# KiCad board ulx4m_panel.kicad_pcb (continued)
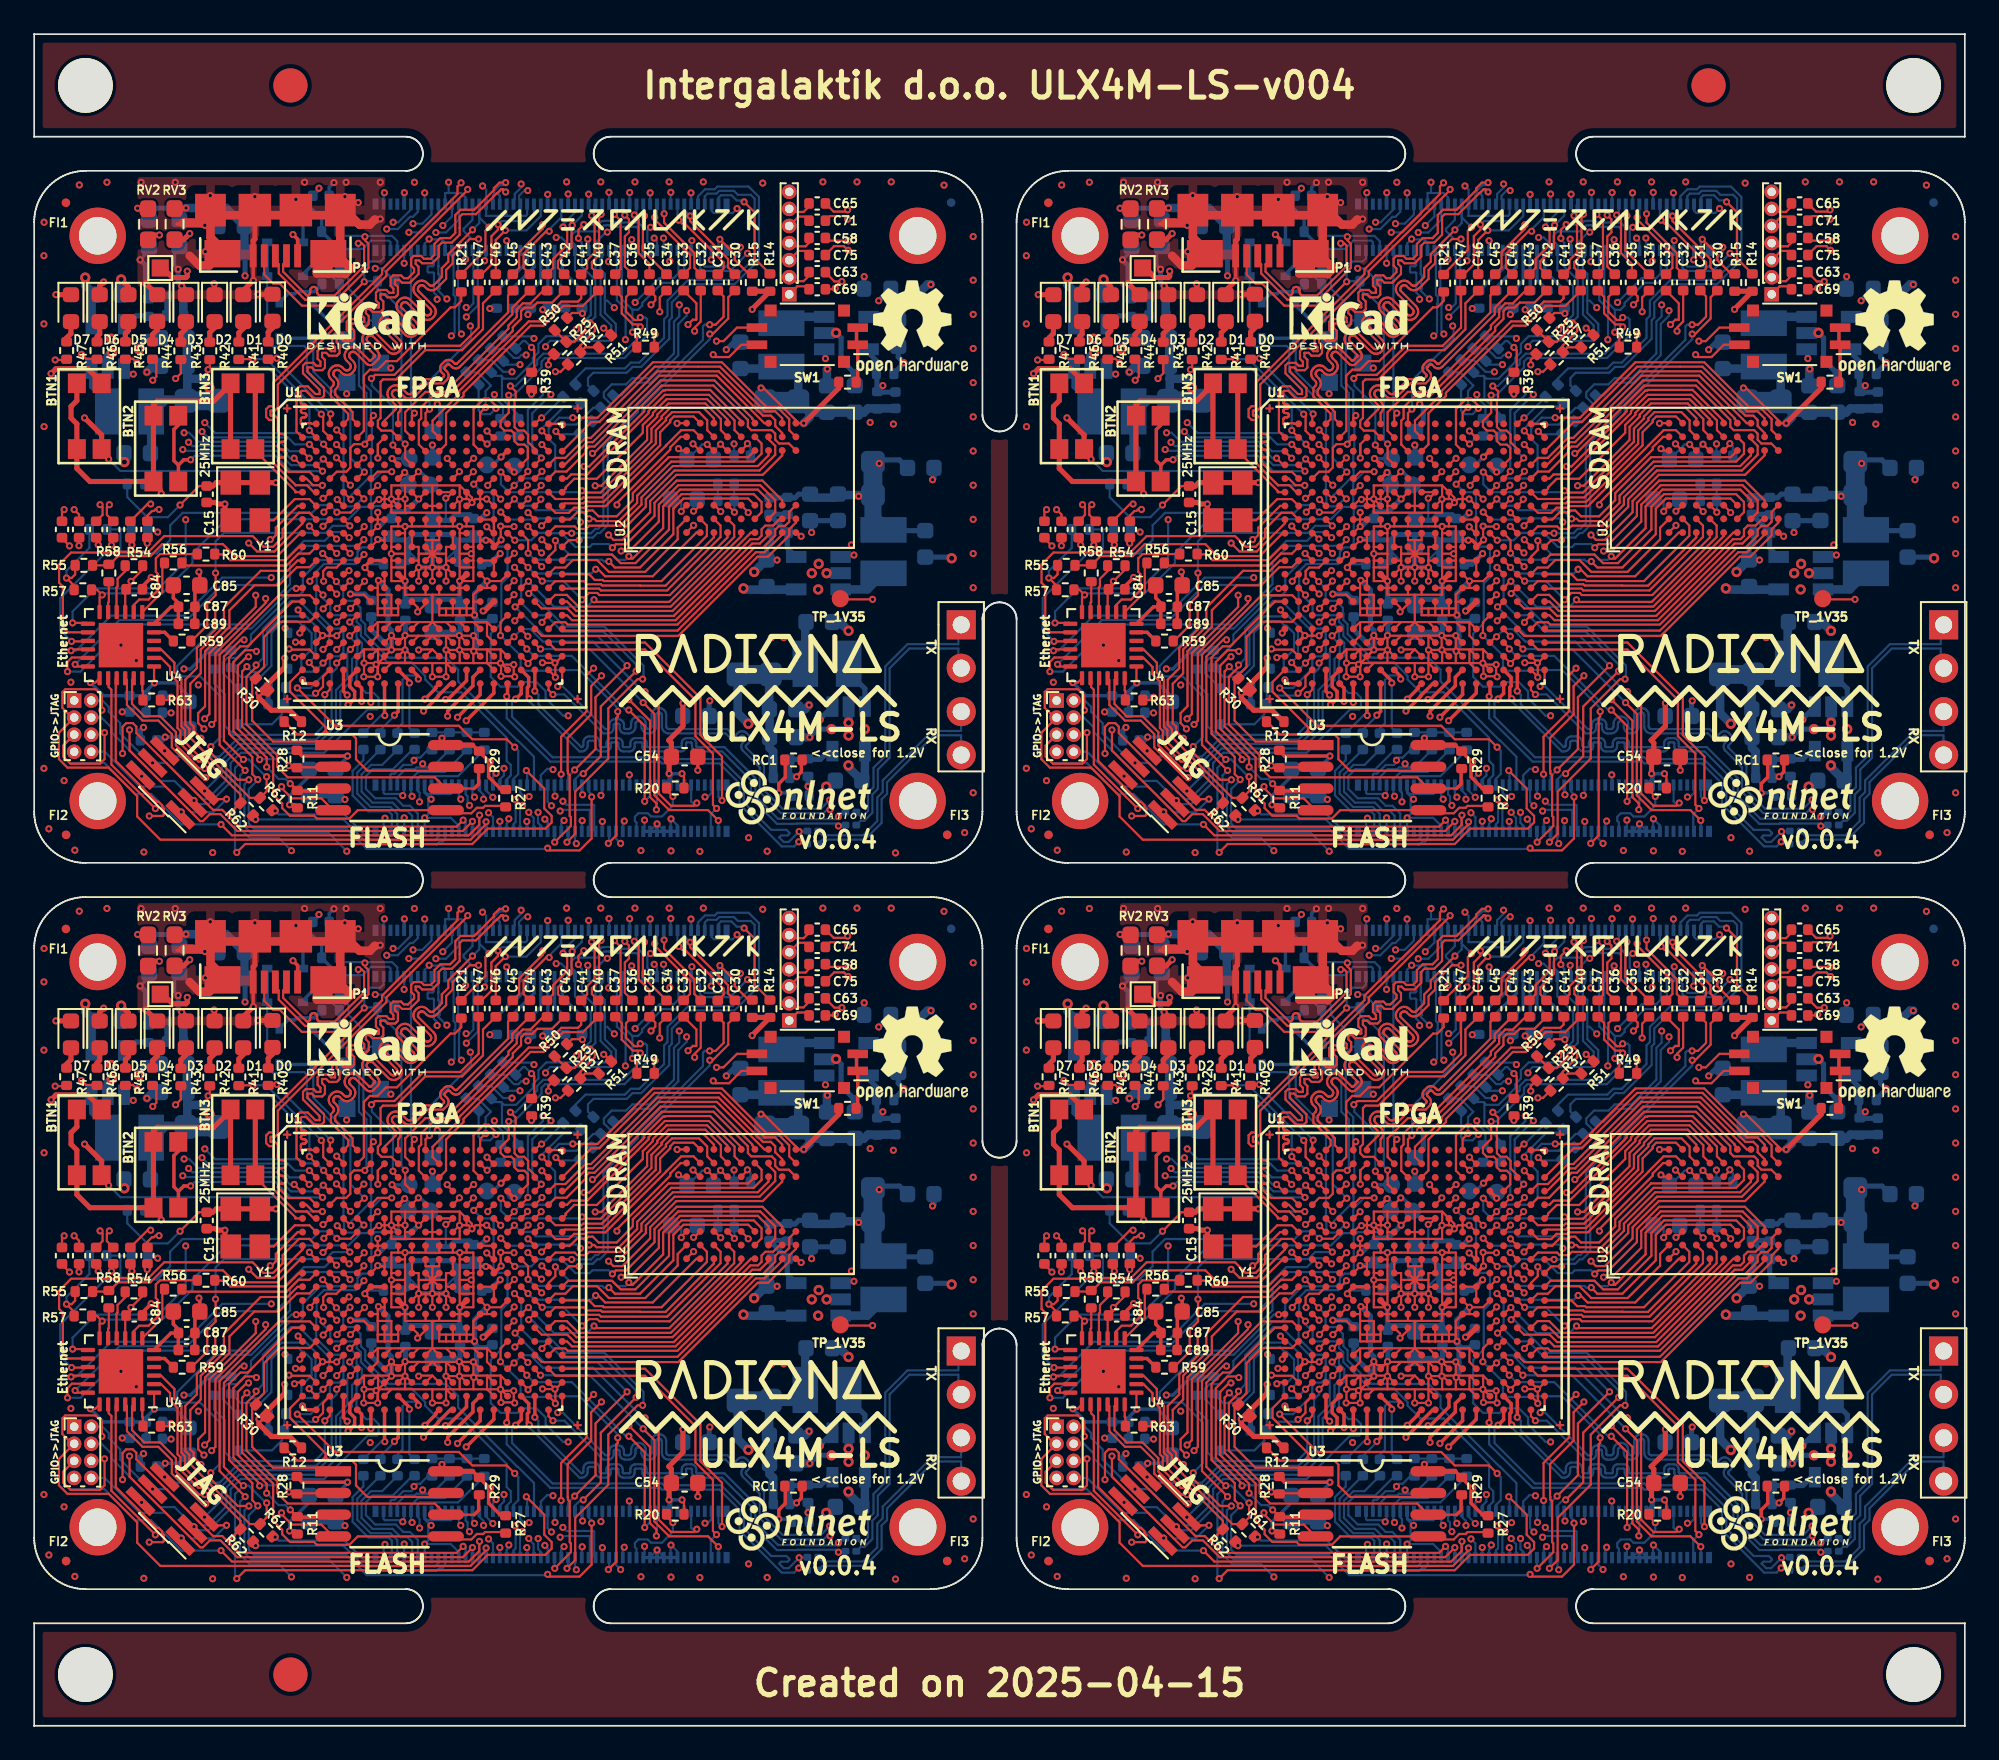
[diagram p0: board, top side]
## Routing (per net, layer and track width the routed paths; a pad name or vN(x,y) marks a point on that pad's centre or on a via; arc(x,y) is an arc through that point) (continued)
  Bottom w0.2: 17.36,86.55 17.36,86.92 R2#3.2 16.83,88.19 16.13,88.88 15.38,88.88 R4#4.2
Board_0-USB_FPGA_D-: length 16.7
  Top w0.127: U1#2.E3 17.71,73.4 18.27,73.4 18.51,73.64 18.51,74.79 18.72,75.01 v1(19.36,75.01) 19.36,75.04 U1#2.B6
  Bottom w0.127: R7#4.2 17.31,84.94 17.31,85.85 16.84,86.32 R1#2.2 ; R6#3.2 18.36,82.89 18.36,81.18 D9#4.1 19.01,80.43 19.01,78.44 19.45,78 19.45,75.1 v1(19.36,75.01)
  Bottom w0.2: R7#4.2 17.85,84.37 R6#3.2
Board_0-USB_FPGA_PULL_D+: length 20.3
  Top w0.127: v1(19.3,71.81) 19.3,71.81 U1#2.F5
  Bottom w0.127: v1(19.3,71.81) 19.2,71.81 18.76,71.37 18.15,71.37 18.14,71.38 18.14,71.98 18.11,72.01 18.11,77.11 15.96,79.26 15.96,80.61 15.81,80.76 14.77,80.76 14.73,80.72 13.97,80.72 13.64,81.05 D11#2.1
  Bottom w0.2: D11#2.1 D10.2
Board_0-USB_FPGA_PULL_D-: length 11.6
  Top w0.127: v1(19.33,73.38) 19.29,73.38 U1#2.E5
  Bottom w0.127: v1(19.33,73.38) 18.51,74.2 18.51,77.09 16.34,79.26 16.34,81.18 D12#2.2
  Bottom w0.2: D13.1 16.31,81.21 D12#2.2
Board_0-USB_N: length 13.2
  Top w0.127: 14.77,85.73 14.57,85.53 14.57,85.1 15.96,83.71 16.01,83.72 16.05,83.73 16.09,83.76 16.12,83.79 16.14,83.83 16.16,83.87 16.16,83.91 16.16,84.01 16.17,84.06 16.18,84.1 16.21,84.14 16.24,84.17 16.28,84.19 16.32,84.21 16.36,84.21 16.41,84.21 16.45,84.19 16.49,84.17 16.52,84.14 16.54,84.1 16.56,84.06 16.56,84.01 16.56,83.91 16.57,83.87 16.58,83.83 16.61,83.79 16.64,83.76 16.68,83.73 16.72,83.72 16.76,83.71 17.6,83.71 19.31,85.43 19.31,86.63 19.18,86.76 v1(18.97,86.76)
  Bottom w0.127: 20.86,86.2 20.86,86.83 20.77,86.92 19.72,86.92 19.24,86.44 18.93,86.44 ; 18.93,86.44 18.97,86.48 v1(18.97,86.76) ; 18.93,86.44 R1#2.1
Board_0-USB_P: length 13.7
  Top w0.127: v1(19.36,87.15) 19.36,86.94 19.57,86.73 19.57,85.32 17.7,83.46 15.86,83.46 14.32,85 14.32,85.53 14.12,85.73
  Bottom w0.127: R2#3.1 18.1,87.2 20.95,87.2 21.26,86.89 21.26,86.2
Board_0-USER_PROGRAMN: length 6.9
  Top w0.127: v3(18.43,67.61) 18.22,67.4 U1#2.M4
  In2signal.Cu w0.127: v3(14.69,64.24) 15.03,64.58 15.03,65.54 15.27,65.78 17.12,65.78 17.31,65.97 17.31,66.92 17.32,66.93 17.32,66.93 17.32,67.09 17.33,67.1 17.33,67.34 17.6,67.61 v3(18.43,67.61)
Board_1-2V5_3V3: length 43.2
  Top w0.127: 77.62,70.6 77.62,70.19 v1(77.63,70.19) 77.61,70.19 U1#4.J6 ; 77.62,70.6 U1#4.H7 ; 77.62,70.6 77.62,71.01 v1(77.62,71.02) ; 77.62,70.6 U1#4.H6 ; U1#4.F10 v1(80.02,71.8) U1#4.F9
  Top w0.2: 64.15,88.77 64.1,88.82 v1(63.57,88.82)
  Top w0.3: RV2.2 63.59,88.79 v1(63.57,88.82) ; v1(66.4,88.83) 66.37,88.8 RV3#4.1
  POWER.Cu w0.2: 77.12,72.38 77.12,72.17 77.25,72.04 77.25,71.39 v1(77.62,71.02)
  POWER.Cu w0.3: 77.12,72.38 76.29,73.2 76.29,82.58 75.03,83.85 75.03,84.58 76.37,85.91 75.59,85.91 74.75,85.08 70.07,85.08 v1(69.85,84.86)
  Bottom w0.2: C49#2.1 63.57,88.78 v1(63.57,88.82)
  Bottom w0.3: 78.44,70.93 77.7,70.19 v1(77.63,70.19) ; v1(80.02,71.8) 79.27,71.05 78.44,71.05 ; v1(69.85,84.86) 69.85,86.21 C48#3.1 ; v1(63.57,88.82) 66.39,88.82 v1(66.4,88.83) 66.01,88.44 C53#3.1
  Bottom w0.4: 78.49,70.96 78.49,70.96
  Bottom w0.5: C48#3.1 69.82,87.76 C38#3.1 68.75,88.83 v1(66.4,88.83)
Board_1-+1V1: length 133.8
  Top w0.127: U1#4.T10 80.82,64.6 ; 80.82,64.6 80.82,66.2 ; 80.82,64.6 82.42,64.6 ; 80.82,64.6 U1#4.T11 ; 80.82,64.6 80.02,64.6 ; 79.22,69.8 v1(79.22,70.2) ; 79.22,69.8 U1#4.J8 ; 79.22,69.8 79.22,68.6 ; v1(79.22,70.2) 79.62,70.2 ; v1(79.22,70.2) 78.82,70.2 ; U1#4.J13 82.42,69.8 ; 82.42,69.8 82.42,68.6 ; 82.42,69.8 v1(82.42,70.2) ; 78.42,67.8 78.42,67 v1(79.22,67) ; 78.42,67.8 79.22,67.8 ; 78.42,67.8 78.42,68.2 ; 79.62,70.2 80.42,70.2 ; 79.62,70.2 U1#4.H9 ; U1#4.N8 79.22,66.6 ; 79.22,66.6 79.22,66.2 80.42,66.2 ; 79.22,66.6 U1#4.N9 ; 79.22,66.6 v1(79.22,67) ; U1#4.H8 78.82,70.2 ; 78.82,70.2 78.42,70.2 78.42,69 ; U1#4.T14 83.22,64.6 ; 83.22,64.6 84.02,64.6 ; 83.22,64.6 82.42,64.6 ; 79.22,68.6 v1(78.42,68.6) ; 79.22,68.6 79.22,67.8 ; U1#4.L8 78.42,68.2 ; 78.42,68.2 v1(78.42,68.6) ; 82.42,64.6 U1#4.T13 ; U1#4.N10 80.42,66.2 ; 80.42,66.2 80.82,66.2 ; 83.22,69 83.22,68.72 v1(83.09,68.6) ; 83.22,69 U1#4.K13 ; 83.22,69 83.22,70.2 82.82,70.2 ; U1#4.U6 77.62,63.8 77.62,64.6 ; U1#4.L13 83.22,68.2 ; 83.22,68.2 83.22,67.8 ; 83.22,68.2 83.22,68.47 v1(83.09,68.6) ; 80.82,66.2 82.42,66.2 82.42,66.6 ; 77.62,64.6 U1#4.T6 ; 77.62,64.6 78.42,64.6 ; 81.22,70.2 82.02,70.2 ; 81.22,70.2 80.42,70.2 ; 81.22,70.2 U1#4.H11 ; U1#4.T12 81.62,64.6 ; v1(78.42,68.6) 78.42,69 ; 82.42,68.6 82.42,67.8 ; 82.42,68.6 v1(83.09,68.6) ; U1#4.T15 84.02,64.6 ; 84.02,64.6 84.02,63.8 U1#4.U15 ; U1#4.H13 82.82,70.2 ; 82.82,70.2 v1(82.42,70.2) ; 80.02,64.6 79.22,64.6 ; 80.02,64.6 U1#4.T9 ; U1#4.H12 82.02,70.2 ; 82.02,70.2 v1(82.42,70.2) ; v1(79.22,67) 79.22,67.8 ; 79.22,64.6 U1#4.T8 ; 79.22,64.6 78.42,64.6 ; 80.42,70.2 U1#4.H10 ; 83.22,67.8 83.22,67 v1(82.42,67) ; 83.22,67.8 82.42,67.8 ; 78.42,69 U1#4.K8 ; U1#4.N12 82.42,66.6 ; 82.42,66.6 U1#4.N13 ; 82.42,66.6 v1(82.42,67) ; 82.42,67.8 v1(82.42,67) ; 78.42,64.6 U1#4.T7 ; U1#4.N11 81.22,66.2
  Top w0.3: U1#4.M8 v1(79.22,67) ; v1(66.47,85.13) 66.47,84.84 66.39,84.76 65.61,84.76 65.1,85.27 ; U1#4.M13 v1(82.42,67)
  In2signal.Cu w0.3: v1(67.12,60.92) 69.29,58.74 76.85,58.74 v1(77.18,59.08)
  POWER.Cu w0.3: 86.24,59.25 85.33,58.34 77.92,58.34 v1(77.18,59.08) 78.98,60.88 78.98,61.25 80.21,62.48 80.25,62.48 80.51,62.73 80.51,65.71 v1(79.22,67) ; v1(67.12,60.92) 67.64,61.44 67.64,68.74 68.18,69.28 68.18,71.88 68.65,72.35 68.65,74.9 68.26,75.29 67.04,75.29 66.81,75.52 66.81,76.25 67.66,77.1 67.66,77.57 67.2,78.03 67.2,80.92 66.89,81.23 66.89,84.72 v1(66.47,85.13) ; 82.43,66.99 82.41,66.99
  POWER.Cu w0.5: v2(99.32,58.65) 99.01,58.34 87.15,58.34 86.24,59.25
  Bottom w0.127: 80.82,65.73 80.84,65.71 ; 82.42,65.98 82.44,65.96 ; 79.22,65.98 79.24,65.96
  Bottom w0.3: 79.24,65.93 80.74,65.93 80.84,66.03 80.94,65.93 82.44,65.93 ; v1(82.42,67) 82.42,65.98 ; v1(79.22,67) 79.22,65.98
  Bottom w0.5: RP1#4.2 98.69,59.27 v2(99.32,58.65)
Board_1-+1V35: length 31.8
  Top w0.127: TP_1V35#3.1 104.74,65.93 v1(106.59,65.93)
  POWER.Cu w0.3: v1(106.59,65.93) 104.37,68.15 104.37,69.21 103.74,69.84 105.36,69.84 105.46,69.74 105.89,70.16 105.89,71.08 105.39,71.58 v3(105.77,71.96) 106.18,72.37 106.18,75.46 106.24,75.39 106.86,75.39 106.86,74 v1(106.98,73.88)
  Bottom w0.3: C77#4.1 101.6,71.86 101.6,71.87 102.05,71.87 102.26,72.08 C95#2.1 ; C97#4.1 106.82,69.95 ; RP4#2.2 106.7,73.88 v1(106.98,73.88) 107.19,74.09 108.16,74.09 C98#3.1 ; 107,73.7 106.61,74.09
  Bottom w0.5: C95#2.1 103.13,71.88 104.35,71.88 C96#4.1 104.63,72.03 RP4#2.1
  Bottom w1: RP4#2.1 106.61,70.61 L4#2.2
Board_1-+2V5: length 118.6
  Top w0.127: 80.82,63 U1#4.V11 ; 80.82,63 80.05,63 v1(80.02,62.97) ; 80.82,63 U1#4.V10 ; v1(77.62,72.59) 77.61,72.59 U1#4.F6 ; U1#4.P6 76.81,66.21 76.05,66.21 v1(76.02,66.24) ; U1#4.V18 86.42,62.2 v1(86.42,62.17) 86.42,62.19 U1#4.V17 ; v1(84.82,71.79) 84.82,71.8 U1#4.F15
  Top w0.3: RV2.1 64.46,87.25 v1(64.84,87.25) ; U1#4.P15 83.87,65.25 v1(83.79,65.25)
  POWER.Cu w0.127: 86.84,64.19 86.84,63.32 86.75,63.23 86.75,62.66 U1#4.V18 ; 83.6,71.39 83.59,71.39 ; 83.6,71.39 83.59,71.41 83.59,72.21 ; 83.6,71.39 83.6,71.4 84.42,71.4 v1(84.82,71.79)
  POWER.Cu w0.2: 73.41,68.89 73.56,69.05 76.26,69.05 76.32,68.99 77.84,68.99 77.93,68.89 ; 86.82,64.21 85.91,64.21 85.88,64.17 85.16,64.17 84.09,65.25 v1(83.79,65.25) ; v1(86.42,62.17) 86.82,62.56 U1#4.V18
  POWER.Cu w0.3: v1(76.02,66.24) 76.82,65.44 76.82,63 77.58,63 78.12,62.46 79.51,62.46 v1(80.02,62.97) ; 80.81,72.6 80.81,71.68 80.27,71.14 78.53,71.14 78.53,69.49 77.93,68.89 ; 67.49,85.1 68.17,85.1 ; 83.6,71.39 83.6,71.35 83.37,71.12 83.37,69.15 82.74,69.15 82.59,69 82.59,68.39 83.09,67.89 83.09,67.45 83.5,67.04 83.5,65.54 v1(83.79,65.25) ; v1(64.84,87.25) 65.28,87.25 67.46,85.07 ; v3(80.82,74.95) 80.84,74.93 80.84,73.58 ; 73.41,68.89 72.57,69.73 72.57,72.55 68.85,76.27 68.43,76.27 ; v2(67.77,78.3) 68.14,77.93 69.21,77.93
  POWER.Cu w0.4: 83.51,72.13 82.83,72.13 82.36,72.6 77.63,72.6 v1(77.62,72.59) ; 72.35,59.7 72.65,59.7 73.45,60.49 73.45,60.68 73.74,60.97 74.8,60.97 76.82,63
  POWER.Cu w0.5: 68.17,85.1 68.14,85.07 67.46,85.07 ; 68.72,80.42 67.46,81.68 67.46,85.07 ; 67.46,85.07 67.49,85.1 ; 80.84,73.58 80.84,72.65
  POWER.Cu w0.8: 71.09,65.09 70.44,65.09 70.34,65.19
  POWER.Cu w1: 72.42,59.77 71.57,60.62 71.57,61.8 71.36,62 71.36,64.81 71.09,65.09 ; 69.33,77.81 69.51,77.63 69.51,71.1 69.23,70.82 69.23,68.9 68.58,68.25 69.03,67.8 69.03,65.66 69.5,65.19 70.34,65.19 ; 68.43,78.4 68.43,76.27
  POWER.Cu w1.5: 69.33,77.81 69.21,77.93 69.21,79.93 68.72,80.42
  Bottom w0.3: L2#4.2 64.42,76.98 ; RP2#3.2 67.77,78.09 v2(67.77,78.3) ; v1(83.79,65.25) 84.3,65.76 C29#4.1 ; v1(76.02,66.24) 76.86,66.24 C39#2.1 ; v3(80.82,74.95) 80.84,74.93 C19#4.1
  Bottom w0.5: 66.48,78.84 66.48,79.57 C12.1 66.45,79.6 C11#3.1 66.45,81.85 66.24,82.06 66.24,83.59 C10#2.1 ; 66.48,78.84 66.48,77.61 65.22,77.61 64.52,76.92 L2#4.2 64.36,74.52 C23.1 ; 66.48,78.84 67.38,78.84 67.77,78.45 67.77,78.45
Board_1-+3.3VA: length 13.5
  Top w0.127: U4#2.1 64.53,61.06 v1(64.55,61.04) ; v1(60.8,61.06) 61.09,61.06 U4#2.19
  POWER.Cu w0.2: v1(64.55,61.04) 60.82,61.04 v1(60.8,61.06)
  Bottom w0.2: FB1#3.2 66.55,60.26 65.77,61.04 v1(64.55,61.04) 64.07,60.56 C90.1 ; C90.1 C86#3.1 61.57,60.29 v1(60.8,61.06) ; C90.1 64.07,59.31 C88.1
Board_1-+5V: length 192.7
  Top w0.2: 72.93,85.73 72.93,87.01 v1(72.66,87.28)
  Top w0.3: R15.1 R14#4.1 99.54,82.92 v3(99.54,82.9)
  POWER.Cu w0.3: v3(86.41,82.59) 86.41,82.89 87.17,83.65 92.32,83.65 92.46,83.79 92.92,83.79 92.93,83.78 98.65,83.78 v3(99.54,82.9) 104.57,82.9 105.28,83.61 105.28,85.54 105.48,85.74 107.1,85.74 108.12,84.72 ; v1(72.66,87.28) 72.62,87.32 68.79,87.32 66.79,89.32 63.62,89.32 63.61,89.31 63.34,89.31 63.08,89.05 63.08,88.2 63.26,88.02 63.26,86.33 61.92,84.99 61.35,84.99 61.12,84.76 v2(60.5,84.76) 63.04,82.22 63.04,79.38 v1(63.31,79.11) ; v1(103.54,58.88) 103.54,55.47 103.3,55.24 103.3,53.83 103.55,53.59 ; v1(110,84.36) 110.53,83.83 110.53,74.74 109.55,73.77 108.85,73.77 ; v2(99.03,66.57) 101.61,66.57 103.42,64.76 108.85,64.76
  POWER.Cu w0.5: 108.08,84.74 108.1,84.72 109.64,84.72 v1(110,84.36) 105.66,80.02 v1(103.83,80.02) ; 108.85,65.34 108.85,67.35 107.69,68.52 v1(105.5,68.52) ; 108.85,65.34 108.58,65.61 108.58,71.45 108.74,71.61 108.74,73.66 108.85,73.77 ; 108.85,65.34 108.85,59.88 v2(105.18,56.21) 97.55,56.21 95.92,54.58 95.79,54.58 95.48,54.27 95.48,53.77 v1(94.79,53.08) 94.27,53.08 v1(93.97,52.79) 93.46,52.79 v1(93.24,53.01) ; v2(60.5,84.76) 59.36,83.61 59.36,77.13 58.68,76.45 58.68,75.75 58.46,75.54 58.46,56.71 58.96,56.2 62.32,56.2 64.26,54.27 64.86,54.27 65.24,53.89 65.24,52.58 64.94,52.28
  Bottom w0.127: J1#4.87 95.17,52.7 v1(94.79,53.08) 94.77,53.06 J1#4.85 ; v1(93.97,52.79) 93.57,52.38 J1#4.79 ; v1(93.97,52.79) 94.37,52.39 J1#4.83 ; v1(93.97,52.79) 93.97,52.78 J1#4.81 ; 93.17,52.5 93.24,52.57 v1(93.24,53.01)
  Bottom w0.2: J1#4.77 J1#4.87 ; R10#3.1 85.58,82.97 R13#4.1
  Bottom w0.3: v1(105.5,68.52) 104.83,68.52 U8#4.1 ; v1(63.31,79.11) 63.1,79.11 U6#4.1 ; U5#2.1 103.54,58.94 v1(103.54,58.88) ; v1(103.83,80.02) 103.83,80.49 U7#2.1 ; v3(86.41,82.59) 86.58,82.76 R10#3.1
  Bottom w0.5: U5#2.4 106.14,55.5 C5#2.1 105.18,56.1 v2(105.18,56.21) ; v1(110,84.36) 109.8,84.36 107.91,82.46 U7#2.4 ; v2(60.5,84.76) 60.5,84.31 C1#3.1 60.87,83.58 U6#4.4 ; v2(99.03,66.57) 99.09,66.5 102.12,66.5
Board_1-/blinkey/ALED0: length 1.3
  Top w0.3: 71.21,80.97 71.21,81.56 71.46,81.81 D0#4.2
Board_1-/blinkey/ALED1: length 1.3
  Top w0.3: 69.49,80.96 69.49,81.53 69.75,81.79 D1#3.2
Board_1-/blinkey/ALED2: length 1.3
  Top w0.3: D2.2 68.07,81.83 67.79,81.55 67.79,80.95
Board_1-/blinkey/ALED3: length 1.4
  Top w0.3: D3#4.2 66.39,81.77 66.1,81.47 66.1,80.95
Board_1-/blinkey/ALED4: length 1.3
  Top w0.3: D4#4.2 64.71,81.7 64.44,81.43 64.44,80.97
Board_1-/blinkey/ALED5: length 1.3
  Top w0.3: D5#4.2 63.03,81.66 62.85,81.49 62.85,80.97
Board_1-/blinkey/ALED6: length 1.3
  Top w0.3: 61.19,80.97 61.19,81.3 61.35,81.45 D6.2
Board_1-/blinkey/ALED7: length 1.3
  Top w0.3: 59.41,80.97 59.41,81.23 59.67,81.48 D7#2.2
Board_1-/ethernet/ETH_7: length 3.4
  Top w0.127: R56#3.1 65.01,67.93 65.01,66.36 U4#2.7
Board_1-/ethernet/ETH_8: length 6.6
  Top w0.127: R60#3.1 64.88,68.58 64.63,68.33 64.63,67.54 64.76,67.41 64.76,66.47 64.21,65.92 63.66,65.92 63.34,65.6 U4#2.8
Board_1-/ethernet/ETH_10: length 2.9
  Top w0.127: R54#2.1 62.84,67.58 62.39,67.13 62.39,66.69 62.33,66.63 62.33,65.19 U4#2.10
Board_1-/ethernet/ETH_11: length 1.8
  Top w0.127: R58#4.2 61.88,65.78 61.84,65.74 U4#2.11
Board_1-/ethernet/RBIAS: length 1.3
  Top w0.127: R63#3.1 63.88,60.55 63.84,60.59 U4#2.24
Board_1-/ethernet/XTAL: length 1.3
  Top w0.2: R59#3.1 65.15,64 U4#2.5
Board_1-/flash/FLASH_MISO: length 16.3
  Top w0.127: v1(70.71,56.55) 70.61,56.64 70.61,56.76 69.18,58.2 69.18,62.26 69.86,62.95 70.45,62.95 v1(70.52,62.88) ; v1(72.43,63.02) 72.46,62.99 73.63,62.99 U1#4.V2 ; U3#2.2 74.99,56.1 72.89,56.1
  Top w0.2: 72.89,56.1 72.51,56.1 v1(72.42,56.19)
  In2signal.Cu w0.127: v1(72.43,63.02) 70.66,63.02 v1(70.52,62.88)
  Bottom w0.127: v1(70.71,56.55) 70.74,56.58 72.03,56.58 v1(72.42,56.19)
Board_1-/flash/FLASH_MOSI: length 33.1
  Top w0.127: U3#2.5 81.79,53.41 83.1,53.41 83.42,53.73 83.8,53.73 83.91,53.84 85.08,53.84 85.11,53.81 ; U3#2.5 76.45,53.59 75.96,53.1 74.06,53.1 73.89,53.26 72.48,53.26 72.03,53.71 72.03,53.97 71.5,54.5 71.5,56.68 69.68,58.49 69.68,61.71 v1(69.96,61.99) ; U3#2.5 81.74,53.46 ; v1(73.61,62.23) 73.61,62.21 U1#4.W2
  Bottom w0.127: v1(69.96,61.99) 70.27,61.68 70.7,61.68 71.14,62.12 71.14,64.07 72,64.93 73.43,64.93 73.98,64.38 73.98,62.6 v1(73.61,62.23)
Board_1-/flash/FLASH_nCS: length 14.1
  Top w0.127: U1#4.R2 73.64,64.62 71.86,64.62 70.97,63.73 70.97,61.98 70.27,61.28 70.27,58.83 71.49,57.6 74.8,57.6 U3#2.1
Board_1-/flash/FLASH_nHOLD: length 16.3
  Top w0.127: 74.57,58.23 74.78,58.02 76.12,58.02 76.35,57.79 76.35,56.57 77.02,55.9 81.39,55.9 U3#2.7 ; 74.57,58.23 74.57,58.45 72.49,60.52 72.49,61.09 73.2,61.8 U1#4.W1 ; 74.57,58.23 74.36,58.02 72.91,58.02 72.17,58.77
Board_1-/flash/FLASH_nWP: length 16.9
  Top w0.127: v1(72.5,55.14) 72.52,55.14 R11#2.2 72.66,54.74 72.63,54.71 ; v1(71.12,56.12) 71.12,56.67 69.43,58.36 69.43,62.05 69.95,62.57 v1(70.06,62.57)
  Top w0.19: v1(73.22,61.22) 73.44,61 U1#4.Y2 74.02,60.98
  Top w0.2: U3#2.3 74.87,54.71 72.92,54.71
  In2signal.Cu w0.127: v1(73.22,61.22) 72.44,62 71.18,62 70.69,62.48 70.14,62.48 v1(70.06,62.57)
  Bottom w0.127: v1(72.5,55.14) 72.22,55.42 71.82,55.42 v1(71.12,56.12)
Board_1-/flash/FLASH_SCK: length 29.8
  Top w0.127: v1(70.5,62.08) 70.5,61.96 69.94,61.4 69.94,58.61 71.74,56.81 71.74,56.12 72.35,55.51 80.96,55.51 U3#2.6 83.27,54.86 ; v1(74.42,63) U1#4.U3
  Top w0.2: 83.57,56.05 83.53,56.02 83.53,55.12 83.27,54.86
  Bottom w0.127: 74.42,63.11 v1(74.42,63) 74.77,63.35 74.77,64.08 73.01,65.84 72.53,65.84 70.9,64.21 70.9,62.48 v1(70.5,62.08)
Board_1-/flash/FPGA_DONE: length 12.4
  Top w0.127: U1#4.Y3 74.82,60.64 v1(74.53,60.35)
  Bottom w0.127: 68.04,61.84 68.04,61.02 68.68,60.38 68.68,58.51 69.19,58 73.93,58 74.53,58.59 v1(74.53,60.35)
Board_1-/flash/FPGA_INITN: length 12.1
  Top w0.127: U1#4.V3 v1(74.42,62.2)
  Bottom w0.127: 69.04,61.96 69.6,61.39 70.76,61.39 71.4,62.03 71.4,63.98 72.07,64.65 72.94,64.65 73.2,64.39 73.31,64.39 73.75,63.94 73.75,63 73.15,62.4 73.15,61.95 73.41,61.69 73.91,61.69 v1(74.42,62.2)
Board_1-/flash/FPGA_PROGRAMN: length 9.4
  Top w0.127: v1(73.99,60.43) 74.03,60.43 74.42,60.82 74.42,61.4 U1#4.W3
  Bottom w0.127: v1(73.99,60.43) 73.85,60.3 72.71,60.3 R31#2.2 ; R31#2.2 72.23,61.7 D15#2.2 ; R31#2.2 72.16,60.71 C99#4.1 72.01,59.64 72.01,59.2 71.43,58.62 D28#2.2
Board_1-/gpio/CAM0_D0_LP: length 11.8
  Top w0.127: R21.2 82.51,83.39 82.14,83.02 81.89,83.02 78.74,79.87 78.11,79.87 77.61,79.37 77.16,79.37 76.81,79.02 76.81,75.79 U1#4.B5
Board_1-/power/FB1: length 5.6
  Top w0.2: v1(102.14,55.55) 102.42,55.83 102.42,56.51 102.44,56.53
  Bottom w0.2: v1(102.14,55.55) 101.81,55.55 C2#3.2
  Bottom w0.3: 104.04,57.25 U5#2.5 104.02,57.05 103.54,56.56 101.76,56.56 101.73,56.53 101.73,55.49 C2#3.2
  Bottom w0.5: 101.77,55.51 C2#3.2
Board_1-/power/FB2: length 3.8
  Bottom w0.3: C10#2.2 65.28,83.59 65.28,82.55 65.25,82.52 63.47,82.52 62.98,82.03 U6#4.5
Board_1-/power/FB3: length 4.1
  Bottom w0.3: 106.16,80.36 U7#2.5 106.36,80.35 106.84,79.86 106.84,78.08 106.88,78.05 107.92,78.05 107.92,78.06
  vias: v3(107.19,78.44)
Board_1-/power/FB4: length 4.2
  Bottom w0.3: 101.61,70.9 C77#4.2 101.6,69.86 101.6,68.93 U8#4.5
Board_1-/power/L1: length 2.9
  Bottom w0.3: 105.29,62.16 105.72,61.73 105.72,61.12 106.14,60.7 U5#2.3
Board_1-/power/L2: length 2.9
  Bottom w0.3: U6#4.3 60.87,78.38 61.3,77.95 61.3,77.35 61.73,76.92
Board_1-/power/L3: length 2.7
  Bottom w0.5: U7#2.3 101.63,82.46 L3#3.1
Board_1-/power/L4: length 2.9
  Bottom w0.5: U8#4.3 106.29,66.51 L4#2.1
Board_1-/serdes/1N: length 15.8
  Bottom w0.127: J4#2.1 111.61,64.27 111.61,63.3 108.64,63.3 107.33,62 107.33,56.76 106.64,56.07 106.64,54.93 106.32,54.61 106.32,53.54 106.01,53.22 105.89,53.22 C91#4.1
Board_1-/serdes/1P: length 15.8
  Bottom w0.127: J4#2.2 111.61,62.07 111.61,63.05 108.74,63.05 107.59,61.89 107.59,56.65 106.9,55.96 106.9,54.82 106.58,54.5 106.58,53.43 106.11,52.97 105.89,52.97 C92#3.1
Board_1-/serdes/2N: length 13.3
  Bottom w0.127: J4#2.3 111.77,59.35 111.77,58.22 110.08,58.22 107.18,55.33 107.18,54.65 106.86,54.33 106.86,52.95 106.03,52.12 103.66,52.12 C93#3.1
Board_1-/serdes/2P: length 13.4
  Bottom w0.127: J4#2.4 111.77,56.83 111.77,57.97 110.18,57.97 107.44,55.22 107.44,54.54 107.12,54.22 107.12,52.84 106.14,51.86 103.66,51.86 C94.1
Board_1-/serdes/CLK_0_N: length 30.1
  Top w0.127: C66#4.1 59.14,69.49 v1(59.58,69.06)
  Top w0.2: U1#4.Y12 81.88,61 81.16,60.28 81.16,60.24 v1(80.3,59.39)
  In2signal.Cu w0.127: v1(80.3,59.39) 79.02,58.11 69.03,58.11 67.62,59.52 67.06,59.52 59.87,66.71 59.87,68.76 v1(59.58,69.06)
Board_1-/serdes/CLK_0_P: length 30.1
  Top w0.127: v1(60.13,69.07) 60.14,69.07 C59#3.2
  Top w0.2: U1#4.Y11 81.02,60.8 81.02,60.72 v1(80.38,60.09)
  In2signal.Cu w0.127: v1(80.38,60.09) 80.36,60.09 79.96,59.69 79.75,59.69 79.27,60.17 79.06,60.17 79.06,59.95 79.54,59.47 79.54,59.26 78.64,58.36 69.1,58.36 67.72,59.75 67.19,59.75 60.13,66.8 v1(60.13,69.07)
Board_1-/serdes/CLK_1_N: length 69.4
  Top w0.127: U1#4.W20 88.42,61.09 v1(88.16,60.83) ; v1(104.4,84.13) 104.35,84.08 C69#3.1
  In2signal.Cu w0.127: v1(104.4,84.13) 104.59,84.13 104.88,83.84 104.9,83.81 104.92,83.77 104.93,83.72 104.93,83.68 104.92,83.63 104.9,83.59 104.88,83.56 104.68,83.37 104.66,83.33 104.64,83.29 104.63,83.25 104.63,83.2 104.64,83.16 104.66,83.12 104.68,83.08 104.72,83.06 104.76,83.04 104.8,83.03 104.85,83.03 104.89,83.04 104.93,83.06 104.97,83.08 105.16,83.28 105.19,83.3 105.23,83.32 105.28,83.33 105.32,83.33 105.37,83.32 105.41,83.3 105.44,83.28 105.47,83.24 105.49,83.2 105.5,83.16 105.5,83.11 105.49,83.07 105.47,83.03 105.44,82.99 105.25,82.8 105.22,82.77 105.2,82.73 105.19,82.68 105.19,82.64 105.2,82.59 105.22,82.55 105.25,82.52 105.28,82.49 105.33,82.47 105.37,82.46 105.41,82.46 105.46,82.47 105.5,82.49 105.53,82.52 105.72,82.71 105.76,82.74 105.8,82.76 105.84,82.77 105.89,82.77 105.93,82.76 105.97,82.74 106.01,82.71 106.34,82.38 107.22,82.38 107.58,82.02 107.6,81.99 107.61,81.96 107.62,81.93 107.62,81.9 107.61,81.86 107.6,81.83 107.58,81.81 107.47,81.7 107.42,81.63 107.38,81.56 107.36,81.48 107.36,81.39 107.38,81.31 107.42,81.23 107.47,81.16 107.54,81.1 107.61,81.04 107.68,81.01 107.77,80.99 107.85,80.99 107.93,81.01 108.01,81.04 108.08,81.1 108.66,81.68 108.69,81.7 108.72,81.72 108.75,81.72 108.78,81.72 108.82,81.72 108.85,81.7 108.87,81.68 108.91,81.65 108.93,81.62 108.94,81.59 108.95,81.56 108.95,81.53 108.94,81.49 108.93,81.46 108.91,81.44 108.32,80.85 108.27,80.79 108.23,80.71 108.21,80.63 108.21,80.54 108.23,80.46 108.27,80.38 108.32,80.32 108.39,80.25 108.46,80.19 108.53,80.16 108.62,80.14 108.7,80.14 108.78,80.16 108.86,80.19 108.93,80.25 109.51,80.83 109.54,80.85 109.57,80.87 109.6,80.88 109.63,80.88 109.66,80.87 109.69,80.85 109.72,80.83 109.76,80.8 109.78,80.77 109.79,80.74 109.8,80.71 109.8,80.68 109.79,80.64 109.78,80.61 109.76,80.59 109.17,80 109.12,79.94 109.08,79.86 109.06,79.78 109.06,79.69 109.08,79.61 109.12,79.53 109.17,79.47 109.24,79.4 109.31,79.35 109.38,79.31 109.46,79.29 109.55,79.29 109.63,79.31 109.71,79.35 109.77,79.4 109.88,79.51 109.91,79.53 109.94,79.54 109.97,79.55 110,79.55 110.03,79.54 110.06,79.53 110.09,79.51 110.6,78.99 110.6,70.75 109.64,69.79 109.64,67.81 106.78,64.95 106.78,56.96 105.17,55.35 105.17,55.28 v1(104.08,54.19)
  Bottom w0.127: v1(88.16,60.83) 88.46,60.83 90.95,58.33 91.08,58.33 91.1,58.34 91.13,58.34 91.14,58.35 91.16,58.37 91.17,58.39 91.18,58.41 91.18,58.43 91.18,58.58 91.19,58.65 91.21,58.72 91.25,58.79 91.31,58.84 91.37,58.88 91.44,58.9 91.51,58.91 91.7,58.91 91.78,58.9 91.85,58.88 91.91,58.84 91.96,58.79 92,58.72 92.03,58.65 92.04,58.58 92.04,58.43 92.04,58.41 92.04,58.39 92.06,58.37 92.07,58.35 92.09,58.34 92.11,58.34 92.13,58.33 92.28,58.33 92.32,58.34 92.36,58.35 92.39,58.37 92.42,58.4 92.44,58.43 92.45,58.47 92.46,58.51 92.46,58.66 92.47,58.75 92.5,58.83 92.54,58.91 92.61,58.97 92.68,59.02 92.77,59.05 92.86,59.06 92.91,59.06 93,59.05 93.08,59.02 93.16,58.97 93.22,58.91 93.27,58.83 93.3,58.75 93.31,58.66 93.31,58.51 93.31,58.47 93.33,58.43 93.35,58.4 93.38,58.37 93.41,58.35 93.44,58.34 93.48,58.33 93.52,58.34 93.56,58.35 93.59,58.37 93.62,58.4 93.64,58.43 93.65,58.47 93.66,58.51 93.66,59.16 93.67,59.25 93.7,59.33 93.74,59.41 93.81,59.47 93.88,59.52 93.97,59.55 94.06,59.56 94.11,59.56 94.2,59.55 94.28,59.52 94.36,59.47 94.42,59.41 94.47,59.33 94.5,59.25 94.51,59.16 94.51,58.51 94.51,58.47 94.53,58.43 94.55,58.4 94.58,58.37 94.61,58.35 94.64,58.34 94.68,58.33 98.09,58.33 98.42,58 98.45,57.98 98.47,57.97 98.5,57.97 98.53,57.97 98.55,57.97 98.58,57.98 98.6,58 98.7,58.11 98.77,58.16 98.84,58.19 98.92,58.21 99,58.21 99.07,58.19 99.14,58.16 99.21,58.11 99.31,58 99.36,57.94 99.39,57.87 99.41,57.79 99.41,57.71 99.39,57.64 99.36,57.56 99.31,57.5 99.2,57.4 99.19,57.38 99.17,57.35 99.17,57.32 99.17,57.3 99.17,57.27 99.19,57.24 99.2,57.22 100.24,56.19 100.24,54.76 101.32,53.67 103.57,53.67 v1(104.08,54.19)
Board_1-/serdes/CLK_1_P: length 69.4
  Top w0.127: U1#4.Y19 87.62,60.62 v1(87.88,60.36) ; v1(104.79,84.53) 104.36,84.53 103.83,85.06 C63#3.2
  In2signal.Cu w0.127: v1(104.79,84.53) 104.79,84.28 106.44,82.64 107.06,82.64 107.15,82.73 107.25,82.73 107.38,82.6 107.38,82.58 107.78,82.18 107.83,82.11 107.87,82.04 107.89,81.95 107.89,81.87 107.87,81.79 107.83,81.71 107.78,81.64 107.67,81.54 107.65,81.51 107.64,81.48 107.63,81.45 107.63,81.42 107.64,81.38 107.65,81.35 107.67,81.33 107.71,81.29 107.73,81.27 107.76,81.26 107.79,81.25 107.83,81.25 107.86,81.26 107.89,81.27 107.91,81.29 108.5,81.88 108.57,81.93 108.64,81.97 108.73,81.99 108.81,81.99 108.89,81.97 108.97,81.93 109.04,81.88 109.1,81.81 109.16,81.74 109.19,81.67 109.21,81.58 109.21,81.5 109.19,81.42 109.16,81.34 109.1,81.27 108.52,80.69 108.5,80.66 108.48,80.63 108.48,80.6 108.48,80.57 108.48,80.54 108.5,80.51 108.52,80.48 108.55,80.44 108.58,80.42 108.61,80.41 108.64,80.4 108.67,80.4 108.71,80.41 108.74,80.42 108.76,80.44 109.35,81.03 109.41,81.08 109.49,81.12 109.57,81.14 109.66,81.14 109.74,81.12 109.82,81.08 109.88,81.03 109.95,80.96 110.01,80.9 110.04,80.82 110.06,80.74 110.06,80.65 110.04,80.57 110.01,80.49 109.95,80.43 109.37,79.84 109.35,79.81 109.33,79.78 109.32,79.75 109.32,79.72 109.33,79.69 109.35,79.66 109.37,79.63 109.4,79.6 109.43,79.58 109.46,79.56 109.49,79.55 109.52,79.55 109.56,79.56 109.59,79.58 109.61,79.6 109.72,79.7 109.78,79.76 109.86,79.79 109.94,79.81 110.03,79.81 110.11,79.79 110.19,79.76 110.25,79.7 110.86,79.1 110.86,70.64 109.9,69.68 109.9,67.69 107.05,64.84 107.05,56.86 105.42,55.24 105.42,53.85 105.19,53.62 v1(104.1,53.62)
  Bottom w0.127: v1(87.88,60.36) 88.55,60.36 90.83,58.08 91.1,58.08 91.18,58.09 91.25,58.11 91.31,58.15 91.36,58.2 91.4,58.27 91.43,58.34 91.44,58.41 91.44,58.56 91.44,58.58 91.44,58.6 91.46,58.62 91.47,58.63 91.49,58.65 91.51,58.65 91.53,58.66 91.68,58.66 91.7,58.65 91.73,58.65 91.74,58.63 91.76,58.62 91.77,58.6 91.78,58.58 91.78,58.56 91.78,58.41 91.79,58.34 91.81,58.27 91.85,58.2 91.91,58.15 91.97,58.11 92.04,58.09 92.11,58.08 92.31,58.08 92.4,58.09 92.48,58.12 92.56,58.17 92.62,58.23 92.67,58.31 92.7,58.39 92.71,58.48 92.71,58.63 92.71,58.67 92.73,58.71 92.75,58.74 92.78,58.77 92.81,58.79 92.84,58.8 92.88,58.81 92.92,58.8 92.96,58.79 92.99,58.77 93.02,58.74 93.04,58.71 93.05,58.67 93.06,58.63 93.06,58.48 93.07,58.39 93.1,58.31 93.14,58.23 93.21,58.17 93.28,58.12 93.37,58.09 93.46,58.08 93.51,58.08 93.6,58.09 93.68,58.12 93.76,58.17 93.82,58.23 93.87,58.31 93.9,58.39 93.91,58.48 93.91,59.13 93.91,59.17 93.93,59.21 93.95,59.24 93.98,59.27 94.01,59.29 94.04,59.3 94.08,59.31 94.12,59.3 94.16,59.29 94.19,59.27 94.22,59.24 94.24,59.21 94.25,59.17 94.26,59.13 94.26,58.48 94.27,58.39 94.3,58.31 94.34,58.23 94.41,58.17 94.48,58.12 94.57,58.09 94.66,58.08 97.99,58.08 98.26,57.81 98.32,57.76 98.39,57.72 98.47,57.7 98.55,57.7 98.63,57.72 98.7,57.76 98.76,57.81 98.87,57.91 98.89,57.93 98.91,57.94 98.94,57.95 98.97,57.95 99,57.94 99.02,57.93 99.04,57.91 99.11,57.84 99.13,57.82 99.14,57.79 99.15,57.77 99.15,57.74 99.14,57.71 99.13,57.69 99.11,57.67 99.01,57.56 98.96,57.5 98.92,57.43 98.91,57.35 98.91,57.27 98.92,57.19 98.96,57.12 99.01,57.06 99.98,56.09 99.98,54.65 101.22,53.41 103.72,53.41 103.93,53.62 v1(104.1,53.62)
